# EAGLE board Mk4 Final a Panel score 2x5 (EAGLE 9.0.1), part 17 of 29
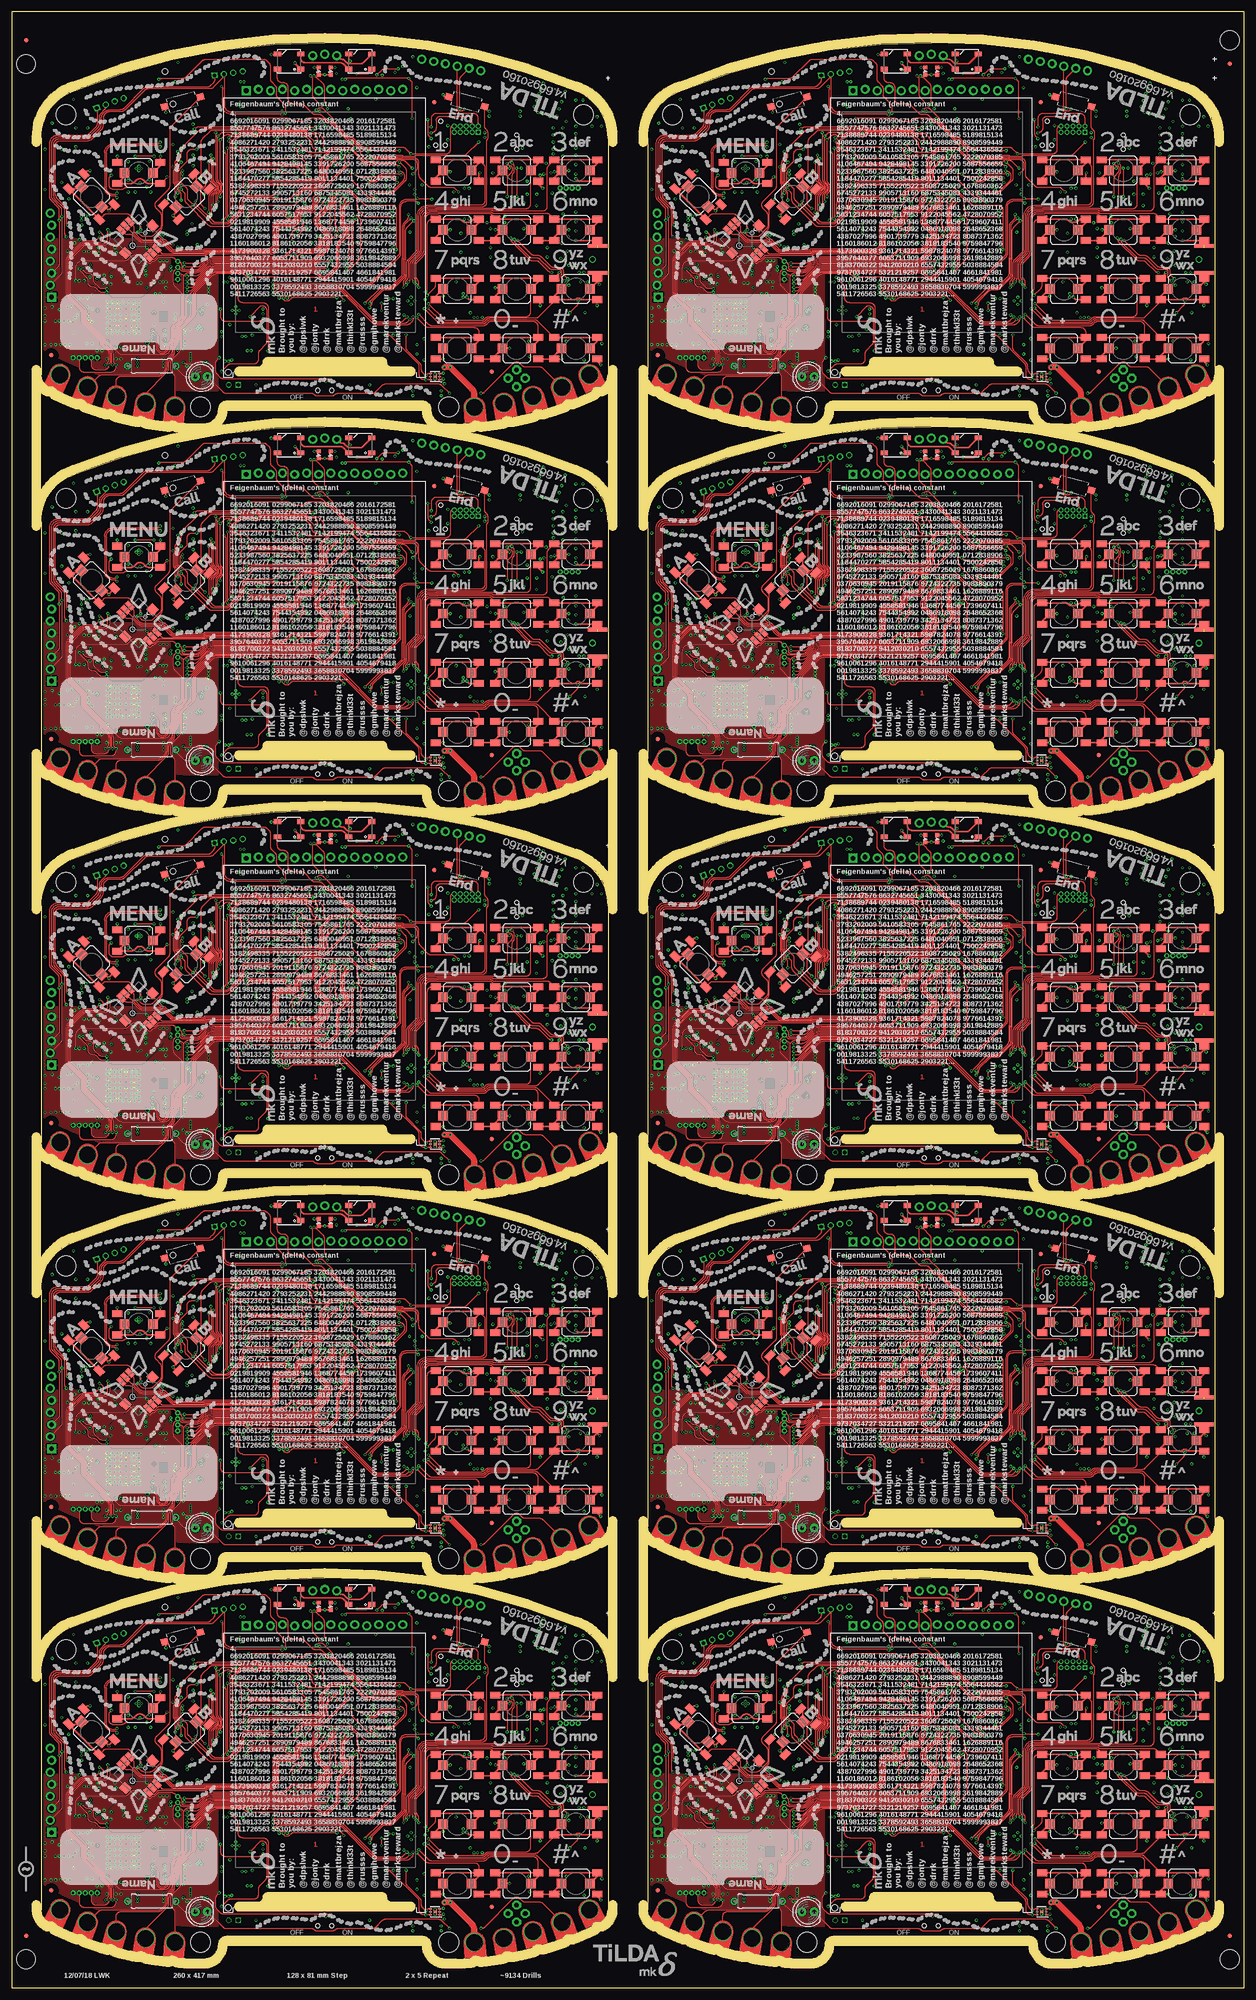
[diagram p0: board, top side]
## Tracks (layer width: path | path; a pad name or v marks a point on that pad's centre or on a via) (continued)
I2C5_EXT_SCL  (via drill 0.3) (continued)
  Bottom 0.2: IC1.121 74.79,55.6 arc-45 75.15,55.45 75.25,55.35 arc45 75.61,55.2 76.27,55.2 arc-45 76.62,55.05 77.35,54.33 77.35,54.15 R24.1 78.2,53.3 78.2,52.95 arc45 78.33,52.63 arc-45 78.62,51.92 78.62,47.82 arc45 78.92,47.11 79.41,46.62 arc45 80.12,46.33 81.76,46.33 arc-45 82.47,46.03 88.38,40.12 arc-45 88.75,39.23 88.75,33.33 arc45 89.19,32.27 94,27.46 arc45 95.06,27.02 98.66,27.02 arc-45 99.54,26.66 103.11,23.09 arc-45 103.4,22.39 103.4,15.9 103.4,15.51 | JP6.6 11.45,45.45 v11.5,45.5 | PCB.SCL 103.8,11 103.4,11.4 103.4,15.51 | J8.1 43,79.36 43,78.91 arc45 43.29,78.21 v44.25,77.25 | J11.3 105.06,13.85 arc-45 104.35,14.15 103.69,14.81 arc-45 103.4,15.51
  Bottom 0.3: PCB.SCL 104.25,10.84 | J8.5 J8.1
I2C5_EXT_SCL1  (via drill 0.3)
  Top 0.2: J18.1 170.78,78.69 arc-45 170.49,77.99 169.89,77.39 arc-45 169.19,77.1 156.62,77.1 arc45 155.73,76.73 151.59,72.59 arc-45 150.89,72.3 148.52,72.3 arc45 147.63,71.93 147.27,71.57 arc45 146.9,70.68 146.9,69.27 arc-45 146.46,68.21 144.89,66.64 arc-45 143.83,66.2 138.05,66.2 arc90 136.8,64.95 136.8,54.21 arc45 137.09,53.51 138.81,51.79 arc-45 139.1,51.09 139.1,46.31 arc45 139.39,45.61 v139.5,45.5 | v172.25,77.25 arc-45 172.5,76.65 172.5,73.15 arc90 174.25,71.4 184.85,71.4 v185,71.25
  3V3@2 0.15: v185,71.25 185,68 185.5,67.5 190.02,67.5 190.6,66.92 190.6,64.32 192.28,62.65 192.28,62.38 192.58,62.08 192.85,62.08 198.1,56.82 v198.1,56.2
  Bottom 0.15: IC20.121 200.89,55.6 200.86,55.63 arc45 200.51,55.77 200.38,55.77 arc-45 199.68,56.07 199.21,56.53 arc45 198.86,56.67 198.78,56.67 arc45 198.43,56.53 v198.1,56.2
  Bottom 0.2: IC20.121 202.79,55.6 arc-45 203.15,55.45 203.25,55.35 arc45 203.61,55.2 204.27,55.2 arc-45 204.62,55.05 205.35,54.33 205.35,54.15 R106.1 206.2,53.3 206.2,52.95 arc45 206.33,52.63 arc-45 206.62,51.92 206.62,47.82 arc45 206.92,47.11 207.41,46.62 arc45 208.12,46.33 209.76,46.33 arc-45 210.47,46.03 216.38,40.12 arc-45 216.75,39.23 216.75,33.33 arc45 217.19,32.27 222,27.46 arc45 223.06,27.02 226.66,27.02 arc-45 227.54,26.66 231.11,23.09 arc-45 231.4,22.39 231.4,15.9 231.4,15.51 | JP17.6 139.45,45.45 v139.5,45.5 | PCB1.SCL 231.8,11 231.4,11.4 231.4,15.51 | J18.1 171,79.36 171,78.91 arc45 171.29,78.21 v172.25,77.25 | J20.3 233.06,13.85 arc-45 232.35,14.15 231.69,14.81 arc-45 231.4,15.51
  Bottom 0.3: PCB1.SCL 232.25,10.84 | J18.5 J18.1
I2C5_EXT_SCL2  (via drill 0.3)
  Top 0.2: J28.1 42.78,159.69 arc-45 42.49,158.99 41.89,158.39 arc-45 41.19,158.1 28.62,158.1 arc45 27.73,157.73 23.59,153.59 arc-45 22.89,153.3 20.52,153.3 arc45 19.63,152.93 19.27,152.57 arc45 18.9,151.68 18.9,150.27 arc-45 18.46,149.21 16.89,147.64 arc-45 15.83,147.2 10.05,147.2 arc90 8.8,145.95 8.8,135.21 arc45 9.09,134.51 10.81,132.79 arc-45 11.1,132.09 11.1,127.31 arc45 11.39,126.61 v11.5,126.5 | v44.25,158.25 arc-45 44.5,157.65 44.5,154.15 arc90 46.25,152.4 56.85,152.4 v57,152.25
  3V3@2 0.15: v57,152.25 57,149 57.5,148.5 62.02,148.5 62.6,147.92 62.6,145.32 64.28,143.65 64.28,143.38 64.58,143.07 64.85,143.07 70.1,137.82 v70.1,137.2
  Bottom 0.15: IC38.121 72.89,136.6 72.86,136.63 arc45 72.51,136.78 72.38,136.78 arc-45 71.67,137.07 71.21,137.53 arc45 70.86,137.68 70.78,137.68 arc45 70.43,137.53 v70.1,137.2
  Bottom 0.2: IC38.121 74.79,136.6 arc-45 75.15,136.45 75.25,136.35 arc45 75.61,136.2 76.27,136.2 arc-45 76.62,136.05 77.35,135.33 77.35,135.15 R184.1 78.2,134.3 78.2,133.95 arc45 78.33,133.63 arc-45 78.62,132.92 78.62,128.82 arc45 78.92,128.11 79.41,127.62 arc45 80.12,127.33 81.76,127.33 arc-45 82.47,127.03 88.38,121.12 arc-45 88.75,120.23 88.75,114.33 arc45 89.19,113.27 94,108.46 arc45 95.06,108.03 98.66,108.03 arc-45 99.54,107.66 103.11,104.09 arc-45 103.4,103.39 103.4,96.9 103.4,96.51 | JP26.6 11.45,126.45 v11.5,126.5 | PCB2.SCL 103.8,92 103.4,92.4 103.4,96.51 | J28.1 43,160.36 43,159.91 arc45 43.29,159.21 v44.25,158.25 | J30.3 105.06,94.85 arc-45 104.35,95.15 103.69,95.81 arc-45 103.4,96.51
  Bottom 0.3: PCB2.SCL 104.25,91.84 | J28.5 J28.1
I2C5_EXT_SCL3  (via drill 0.3)
  Top 0.2: J38.1 170.78,159.69 arc-45 170.49,158.99 169.89,158.39 arc-45 169.19,158.1 156.62,158.1 arc45 155.73,157.73 151.59,153.59 arc-45 150.89,153.3 148.52,153.3 arc45 147.63,152.93 147.27,152.57 arc45 146.9,151.68 146.9,150.27 arc-45 146.46,149.21 144.89,147.64 arc-45 143.83,147.2 138.05,147.2 arc90 136.8,145.95 136.8,135.21 arc45 137.09,134.51 138.81,132.79 arc-45 139.1,132.09 139.1,127.31 arc45 139.39,126.61 v139.5,126.5 | v172.25,158.25 arc-45 172.5,157.65 172.5,154.15 arc90 174.25,152.4 184.85,152.4 v185,152.25
  3V3@2 0.15: v185,152.25 185,149 185.5,148.5 190.02,148.5 190.6,147.92 190.6,145.32 192.28,143.65 192.28,143.38 192.58,143.07 192.85,143.07 198.1,137.82 v198.1,137.2
  Bottom 0.15: IC56.121 200.89,136.6 200.86,136.63 arc45 200.51,136.78 200.38,136.78 arc-45 199.68,137.07 199.21,137.53 arc45 198.86,137.68 198.78,137.68 arc45 198.43,137.53 v198.1,137.2
  Bottom 0.2: IC56.121 202.79,136.6 arc-45 203.15,136.45 203.25,136.35 arc45 203.61,136.2 204.27,136.2 arc-45 204.62,136.05 205.35,135.33 205.35,135.15 R262.1 206.2,134.3 206.2,133.95 arc45 206.33,133.63 arc-45 206.62,132.92 206.62,128.82 arc45 206.92,128.11 207.41,127.62 arc45 208.12,127.33 209.76,127.33 arc-45 210.47,127.03 216.38,121.12 arc-45 216.75,120.23 216.75,114.33 arc45 217.19,113.27 222,108.46 arc45 223.06,108.03 226.66,108.03 arc-45 227.54,107.66 231.11,104.09 arc-45 231.4,103.39 231.4,96.9 231.4,96.51 | JP35.6 139.45,126.45 v139.5,126.5 | PCB3.SCL 231.8,92 231.4,92.4 231.4,96.51 | J38.1 171,160.36 171,159.91 arc45 171.29,159.21 v172.25,158.25 | J40.3 233.06,94.85 arc-45 232.35,95.15 231.69,95.81 arc-45 231.4,96.51
  Bottom 0.3: PCB3.SCL 232.25,91.84 | J38.5 J38.1
I2C5_EXT_SCL4  (via drill 0.3)
  Top 0.2: J48.1 42.78,240.69 arc-45 42.49,239.99 41.89,239.39 arc-45 41.19,239.1 28.62,239.1 arc45 27.73,238.73 23.59,234.59 arc-45 22.89,234.3 20.52,234.3 arc45 19.63,233.93 19.27,233.57 arc45 18.9,232.68 18.9,231.27 arc-45 18.46,230.21 16.89,228.64 arc-45 15.83,228.2 10.05,228.2 arc90 8.8,226.95 8.8,216.21 arc45 9.09,215.51 10.81,213.79 arc-45 11.1,213.09 11.1,208.31 arc45 11.39,207.61 v11.5,207.5 | v44.25,239.25 arc-45 44.5,238.65 44.5,235.15 arc90 46.25,233.4 56.85,233.4 v57,233.25
  3V3@2 0.15: v57,233.25 57,230 57.5,229.5 62.02,229.5 62.6,228.92 62.6,226.32 64.28,224.65 64.28,224.38 64.58,224.07 64.85,224.07 70.1,218.82 v70.1,218.2
  Bottom 0.15: IC74.121 72.89,217.6 72.86,217.63 arc45 72.51,217.78 72.38,217.78 arc-45 71.67,218.07 71.21,218.53 arc45 70.86,218.68 70.78,218.68 arc45 70.43,218.53 v70.1,218.2
  Bottom 0.2: IC74.121 74.79,217.6 arc-45 75.15,217.45 75.25,217.35 arc45 75.61,217.2 76.27,217.2 arc-45 76.62,217.05 77.35,216.33 77.35,216.15 R340.1 78.2,215.3 78.2,214.95 arc45 78.33,214.63 arc-45 78.62,213.92 78.62,209.82 arc45 78.92,209.11 79.41,208.62 arc45 80.12,208.32 81.76,208.32 arc-45 82.47,208.03 88.38,202.12 arc-45 88.75,201.23 88.75,195.33 arc45 89.19,194.27 94,189.46 arc45 95.06,189.03 98.66,189.03 arc-45 99.54,188.66 103.11,185.09 arc-45 103.4,184.39 103.4,177.9 103.4,177.51 | JP44.6 11.45,207.45 v11.5,207.5 | PCB4.SCL 103.8,173 103.4,173.4 103.4,177.51 | J48.1 43,241.36 43,240.91 arc45 43.29,240.21 v44.25,239.25 | J50.3 105.06,175.85 arc-45 104.35,176.15 103.69,176.81 arc-45 103.4,177.51
  Bottom 0.3: PCB4.SCL 104.25,172.84 | J48.5 J48.1
I2C5_EXT_SCL5  (via drill 0.3)
  Top 0.2: J58.1 170.78,240.69 arc-45 170.49,239.99 169.89,239.39 arc-45 169.19,239.1 156.62,239.1 arc45 155.73,238.73 151.59,234.59 arc-45 150.89,234.3 148.52,234.3 arc45 147.63,233.93 147.27,233.57 arc45 146.9,232.68 146.9,231.27 arc-45 146.46,230.21 144.89,228.64 arc-45 143.83,228.2 138.05,228.2 arc90 136.8,226.95 136.8,216.21 arc45 137.09,215.51 138.81,213.79 arc-45 139.1,213.09 139.1,208.31 arc45 139.39,207.61 v139.5,207.5 | v172.25,239.25 arc-45 172.5,238.65 172.5,235.15 arc90 174.25,233.4 184.85,233.4 v185,233.25
  3V3@2 0.15: v185,233.25 185,230 185.5,229.5 190.02,229.5 190.6,228.92 190.6,226.32 192.28,224.65 192.28,224.38 192.58,224.07 192.85,224.07 198.1,218.82 v198.1,218.2
  Bottom 0.15: IC92.121 200.89,217.6 200.86,217.63 arc45 200.51,217.78 200.38,217.78 arc-45 199.68,218.07 199.21,218.53 arc45 198.86,218.68 198.78,218.68 arc45 198.43,218.53 v198.1,218.2
  Bottom 0.2: IC92.121 202.79,217.6 arc-45 203.15,217.45 203.25,217.35 arc45 203.61,217.2 204.27,217.2 arc-45 204.62,217.05 205.35,216.33 205.35,216.15 R418.1 206.2,215.3 206.2,214.95 arc45 206.33,214.63 arc-45 206.62,213.92 206.62,209.82 arc45 206.92,209.11 207.41,208.62 arc45 208.12,208.32 209.76,208.32 arc-45 210.47,208.03 216.38,202.12 arc-45 216.75,201.23 216.75,195.33 arc45 217.19,194.27 222,189.46 arc45 223.06,189.03 226.66,189.03 arc-45 227.54,188.66 231.11,185.09 arc-45 231.4,184.39 231.4,177.9 231.4,177.51 | JP53.6 139.45,207.45 v139.5,207.5 | PCB5.SCL 231.8,173 231.4,173.4 231.4,177.51 | J58.1 171,241.36 171,240.91 arc45 171.29,240.21 v172.25,239.25 | J60.3 233.06,175.85 arc-45 232.35,176.15 231.69,176.81 arc-45 231.4,177.51
  Bottom 0.3: PCB5.SCL 232.25,172.84 | J58.5 J58.1
I2C5_EXT_SCL6  (via drill 0.3)
  Top 0.2: J68.1 42.78,321.69 arc-45 42.49,320.99 41.89,320.39 arc-45 41.19,320.1 28.62,320.1 arc45 27.73,319.73 23.59,315.59 arc-45 22.89,315.3 20.52,315.3 arc45 19.63,314.93 19.27,314.57 arc45 18.9,313.68 18.9,312.27 arc-45 18.46,311.21 16.89,309.64 arc-45 15.83,309.2 10.05,309.2 arc90 8.8,307.95 8.8,297.21 arc45 9.09,296.51 10.81,294.79 arc-45 11.1,294.09 11.1,289.31 arc45 11.39,288.61 v11.5,288.5 | v44.25,320.25 arc-45 44.5,319.65 44.5,316.15 arc90 46.25,314.4 56.85,314.4 v57,314.25
  3V3@2 0.15: v57,314.25 57,311 57.5,310.5 62.02,310.5 62.6,309.92 62.6,307.32 64.28,305.65 64.28,305.38 64.58,305.07 64.85,305.07 70.1,299.82 v70.1,299.2
  Bottom 0.15: IC110.121 72.89,298.6 72.86,298.63 arc45 72.51,298.77 72.38,298.77 arc-45 71.67,299.07 71.21,299.53 arc45 70.86,299.68 70.78,299.68 arc45 70.43,299.53 v70.1,299.2
  Bottom 0.2: IC110.121 74.79,298.6 arc-45 75.15,298.45 75.25,298.35 arc45 75.61,298.2 76.27,298.2 arc-45 76.62,298.05 77.35,297.33 77.35,297.15 R496.1 78.2,296.3 78.2,295.95 arc45 78.33,295.63 arc-45 78.62,294.92 78.62,290.82 arc45 78.92,290.11 79.41,289.62 arc45 80.12,289.32 81.76,289.32 arc-45 82.47,289.03 88.38,283.12 arc-45 88.75,282.23 88.75,276.33 arc45 89.19,275.27 94,270.46 arc45 95.06,270.02 98.66,270.02 arc-45 99.54,269.66 103.11,266.09 arc-45 103.4,265.39 103.4,258.9 103.4,258.51 | JP62.6 11.45,288.45 v11.5,288.5 | PCB6.SCL 103.8,254 103.4,254.4 103.4,258.51 | J68.1 43,322.36 43,321.91 arc45 43.29,321.21 v44.25,320.25 | J70.3 105.06,256.85 arc-45 104.35,257.15 103.69,257.81 arc-45 103.4,258.51
  Bottom 0.3: PCB6.SCL 104.25,253.84 | J68.5 J68.1
I2C5_EXT_SCL7  (via drill 0.3)
  Top 0.2: J78.1 170.78,321.69 arc-45 170.49,320.99 169.89,320.39 arc-45 169.19,320.1 156.62,320.1 arc45 155.73,319.73 151.59,315.59 arc-45 150.89,315.3 148.52,315.3 arc45 147.63,314.93 147.27,314.57 arc45 146.9,313.68 146.9,312.27 arc-45 146.46,311.21 144.89,309.64 arc-45 143.83,309.2 138.05,309.2 arc90 136.8,307.95 136.8,297.21 arc45 137.09,296.51 138.81,294.79 arc-45 139.1,294.09 139.1,289.31 arc45 139.39,288.61 v139.5,288.5 | v172.25,320.25 arc-45 172.5,319.65 172.5,316.15 arc90 174.25,314.4 184.85,314.4 v185,314.25
  3V3@2 0.15: v185,314.25 185,311 185.5,310.5 190.02,310.5 190.6,309.92 190.6,307.32 192.28,305.65 192.28,305.38 192.58,305.07 192.85,305.07 198.1,299.82 v198.1,299.2
  Bottom 0.15: IC128.121 200.89,298.6 200.86,298.63 arc45 200.51,298.77 200.38,298.77 arc-45 199.68,299.07 199.21,299.53 arc45 198.86,299.68 198.78,299.68 arc45 198.43,299.53 v198.1,299.2
  Bottom 0.2: IC128.121 202.79,298.6 arc-45 203.15,298.45 203.25,298.35 arc45 203.61,298.2 204.27,298.2 arc-45 204.62,298.05 205.35,297.33 205.35,297.15 R574.1 206.2,296.3 206.2,295.95 arc45 206.33,295.63 arc-45 206.62,294.92 206.62,290.82 arc45 206.92,290.11 207.41,289.62 arc45 208.12,289.32 209.76,289.32 arc-45 210.47,289.03 216.38,283.12 arc-45 216.75,282.23 216.75,276.33 arc45 217.19,275.27 222,270.46 arc45 223.06,270.02 226.66,270.02 arc-45 227.54,269.66 231.11,266.09 arc-45 231.4,265.39 231.4,258.9 231.4,258.51 | JP71.6 139.45,288.45 v139.5,288.5 | PCB7.SCL 231.8,254 231.4,254.4 231.4,258.51 | J78.1 171,322.36 171,321.91 arc45 171.29,321.21 v172.25,320.25 | J80.3 233.06,256.85 arc-45 232.35,257.15 231.69,257.81 arc-45 231.4,258.51
  Bottom 0.3: PCB7.SCL 232.25,253.84 | J78.5 J78.1
I2C5_EXT_SCL8  (via drill 0.3)
  Top 0.2: J88.1 42.78,402.69 arc-45 42.49,401.99 41.89,401.39 arc-45 41.19,401.1 28.62,401.1 arc45 27.73,400.73 23.59,396.59 arc-45 22.89,396.3 20.52,396.3 arc45 19.63,395.93 19.27,395.57 arc45 18.9,394.68 18.9,393.27 arc-45 18.46,392.21 16.89,390.64 arc-45 15.83,390.2 10.05,390.2 arc90 8.8,388.95 8.8,378.21 arc45 9.09,377.51 10.81,375.79 arc-45 11.1,375.09 11.1,370.31 arc45 11.39,369.61 v11.5,369.5 | v44.25,401.25 arc-45 44.5,400.65 44.5,397.15 arc90 46.25,395.4 56.85,395.4 v57,395.25
  3V3@2 0.15: v57,395.25 57,392 57.5,391.5 62.02,391.5 62.6,390.92 62.6,388.32 64.28,386.65 64.28,386.38 64.58,386.07 64.85,386.07 70.1,380.82 v70.1,380.2
  Bottom 0.15: IC146.121 72.89,379.6 72.86,379.63 arc45 72.51,379.77 72.38,379.77 arc-45 71.67,380.07 71.21,380.53 arc45 70.86,380.68 70.78,380.68 arc45 70.43,380.53 v70.1,380.2
  Bottom 0.2: IC146.121 74.79,379.6 arc-45 75.15,379.45 75.25,379.35 arc45 75.61,379.2 76.27,379.2 arc-45 76.62,379.05 77.35,378.33 77.35,378.15 R652.1 78.2,377.3 78.2,376.95 arc45 78.33,376.63 arc-45 78.62,375.92 78.62,371.82 arc45 78.92,371.11 79.41,370.62 arc45 80.12,370.32 81.76,370.32 arc-45 82.47,370.03 88.38,364.12 arc-45 88.75,363.23 88.75,357.33 arc45 89.19,356.27 94,351.46 arc45 95.06,351.02 98.66,351.02 arc-45 99.54,350.66 103.11,347.09 arc-45 103.4,346.39 103.4,339.9 103.4,339.51 | JP80.6 11.45,369.45 v11.5,369.5 | PCB8.SCL 103.8,335 103.4,335.4 103.4,339.51 | J88.1 43,403.36 43,402.91 arc45 43.29,402.21 v44.25,401.25 | J90.3 105.06,337.85 arc-45 104.35,338.15 103.69,338.81 arc-45 103.4,339.51
  Bottom 0.3: PCB8.SCL 104.25,334.84 | J88.5 J88.1
I2C5_EXT_SCL9  (via drill 0.3)
  Top 0.2: J98.1 170.78,402.69 arc-45 170.49,401.99 169.89,401.39 arc-45 169.19,401.1 156.62,401.1 arc45 155.73,400.73 151.59,396.59 arc-45 150.89,396.3 148.52,396.3 arc45 147.63,395.93 147.27,395.57 arc45 146.9,394.68 146.9,393.27 arc-45 146.46,392.21 144.89,390.64 arc-45 143.83,390.2 138.05,390.2 arc90 136.8,388.95 136.8,378.21 arc45 137.09,377.51 138.81,375.79 arc-45 139.1,375.09 139.1,370.31 arc45 139.39,369.61 v139.5,369.5 | v172.25,401.25 arc-45 172.5,400.65 172.5,397.15 arc90 174.25,395.4 184.85,395.4 v185,395.25
  3V3@2 0.15: v185,395.25 185,392 185.5,391.5 190.02,391.5 190.6,390.92 190.6,388.32 192.28,386.65 192.28,386.38 192.58,386.07 192.85,386.07 198.1,380.82 v198.1,380.2
  Bottom 0.15: IC164.121 200.89,379.6 200.86,379.63 arc45 200.51,379.77 200.38,379.77 arc-45 199.68,380.07 199.21,380.53 arc45 198.86,380.68 198.78,380.68 arc45 198.43,380.53 v198.1,380.2
  Bottom 0.2: IC164.121 202.79,379.6 arc-45 203.15,379.45 203.25,379.35 arc45 203.61,379.2 204.27,379.2 arc-45 204.62,379.05 205.35,378.33 205.35,378.15 R730.1 206.2,377.3 206.2,376.95 arc45 206.33,376.63 arc-45 206.62,375.92 206.62,371.82 arc45 206.92,371.11 207.41,370.62 arc45 208.12,370.32 209.76,370.32 arc-45 210.47,370.03 216.38,364.12 arc-45 216.75,363.23 216.75,357.33 arc45 217.19,356.27 222,351.46 arc45 223.06,351.02 226.66,351.02 arc-45 227.54,350.66 231.11,347.09 arc-45 231.4,346.39 231.4,339.9 231.4,339.51 | JP89.6 139.45,369.45 v139.5,369.5 | PCB9.SCL 231.8,335 231.4,335.4 231.4,339.51 | J98.1 171,403.36 171,402.91 arc45 171.29,402.21 v172.25,401.25 | J100.3 233.06,337.85 arc-45 232.35,338.15 231.69,338.81 arc-45 231.4,339.51
  Bottom 0.3: PCB9.SCL 232.25,334.84 | J98.5 J98.1
I2C5_EXT_SDA  (via drill 0.3)
  Top 0.2: v11.75,48 11.73,48.02 arc-45 11.5,48.57 11.5,51.24 arc45 11.21,51.94 9.49,53.66 arc-45 9.2,54.36 9.2,64.8 arc-90 10.2,65.8 15.88,65.8 arc45 17.11,66.31 18.79,67.99 arc45 19.3,69.22 19.3,70.64 arc-45 19.59,71.34 19.86,71.61 arc-45 20.56,71.9 22.93,71.9 arc45 23.82,72.27 28.01,76.46 arc-45 28.71,76.75 41.84,76.75 arc45 42.54,77.04 44.76,79.26 J8.2 44.76,79.24 44.9,79.1 44.9,73.3 arc90 46.4,71.8 56.8,71.8 v57,72
  3V3@2 0.15: v69.3,56.2 69.3,57.2 64.72,61.77 64.46,61.77 63.98,62.26 63.98,62.52 62.3,64.2 62.3,66.8 61.9,67.2 57.3,67.2 56.7,67.8 56.7,70.7 56.4,71 56.4,71.4 v57,72
  Bottom 0.15: IC1.120 72.92,56 arc-45 72.91,56 arc45 72.74,56.08 arc-45 72.03,56.37 71.72,56.68 arc45 71.01,56.98 70.49,56.98 arc45 69.78,56.68 v69.3,56.2
  Bottom 0.2: IC1.120 74.92,56 arc-45 75.28,55.85 75.43,55.7 arc45 75.78,55.56 76.99,55.56 arc-45 77.34,55.41 R23.1 78.2,54.55 arc45 78.56,54.4 78.9,54.4 arc-90 79.4,53.9 79.4,53.21 arc-45 79.11,52.51 78.97,52.38 78.97,47.96 arc45 79.27,47.26 79.56,46.97 arc45 80.26,46.67 81.91,46.67 arc-45 82.62,46.38 88.66,40.34 arc-45 89.1,39.28 89.1,33.37 arc45 89.47,32.49 94.19,27.77 arc45 95.07,27.4 99.49,27.4 arc-45 100.19,27.11 103.56,23.75 arc-45 103.85,23.04 103.85,16.92 arc45 104.14,16.21 J11.4 106.09,15.65 arc-45 106.79,15.36 109.71,12.44 arc-45 PCB.SDA | JP6.7 v11.74,47.99 v11.75,48
  Bottom 0.3: J8.6 J8.2
I2C5_EXT_SDA1  (via drill 0.3)
  Top 0.2: v139.75,48 139.72,48.02 arc-45 139.5,48.57 139.5,51.24 arc45 139.21,51.94 137.49,53.66 arc-45 137.2,54.36 137.2,64.8 arc-90 138.2,65.8 143.88,65.8 arc45 145.11,66.31 146.79,67.99 arc45 147.3,69.22 147.3,70.64 arc-45 147.59,71.34 147.86,71.61 arc-45 148.56,71.9 150.93,71.9 arc45 151.82,72.27 156.01,76.46 arc-45 156.71,76.75 169.84,76.75 arc45 170.54,77.04 172.76,79.26 J18.2 172.76,79.24 172.9,79.1 172.9,73.3 arc90 174.4,71.8 184.8,71.8 v185,72
  3V3@2 0.15: v197.3,56.2 197.3,57.2 192.72,61.77 192.46,61.77 191.97,62.26 191.97,62.52 190.3,64.2 190.3,66.8 189.9,67.2 185.3,67.2 184.7,67.8 184.7,70.7 184.4,71 184.4,71.4 v185,72
  Bottom 0.15: IC20.120 200.92,56 arc-45 200.91,56 arc45 200.74,56.08 arc-45 200.03,56.37 199.72,56.68 arc45 199.01,56.98 198.49,56.98 arc45 197.78,56.68 v197.3,56.2
  Bottom 0.2: IC20.120 202.93,56 arc-45 203.28,55.85 203.43,55.7 arc45 203.78,55.56 204.99,55.56 arc-45 205.34,55.41 R105.1 206.2,54.55 arc45 206.56,54.4 206.9,54.4 arc-90 207.4,53.9 207.4,53.21 arc-45 207.11,52.51 206.97,52.38 206.97,47.96 arc45 207.27,47.26 207.56,46.97 arc45 208.26,46.67 209.91,46.67 arc-45 210.62,46.38 216.66,40.34 arc-45 217.1,39.28 217.1,33.37 arc45 217.47,32.49 222.19,27.77 arc45 223.07,27.4 227.49,27.4 arc-45 228.19,27.11 231.56,23.75 arc-45 231.85,23.04 231.85,16.92 arc45 232.14,16.21 J20.4 234.09,15.65 arc-45 234.79,15.36 237.71,12.44 arc-45 PCB1.SDA | JP17.7 v139.74,47.99 v139.75,48
  Bottom 0.3: J18.6 J18.2
I2C5_EXT_SDA2  (via drill 0.3)
  Top 0.2: v11.75,129 11.73,129.03 arc-45 11.5,129.57 11.5,132.24 arc45 11.21,132.94 9.49,134.66 arc-45 9.2,135.36 9.2,145.8 arc-90 10.2,146.8 15.88,146.8 arc45 17.11,147.31 18.79,148.99 arc45 19.3,150.22 19.3,151.64 arc-45 19.59,152.34 19.86,152.61 arc-45 20.56,152.9 22.93,152.9 arc45 23.82,153.27 28.01,157.46 arc-45 28.71,157.75 41.84,157.75 arc45 42.54,158.04 44.76,160.26 J28.2 44.76,160.24 44.9,160.1 44.9,154.3 arc90 46.4,152.8 56.8,152.8 v57,153
  3V3@2 0.15: v69.3,137.2 69.3,138.2 64.72,142.78 64.46,142.78 63.98,143.26 63.98,143.53 62.3,145.2 62.3,147.8 61.9,148.2 57.3,148.2 56.7,148.8 56.7,151.7 56.4,152 56.4,152.4 v57,153
  Bottom 0.15: IC38.120 72.92,137 arc-45 72.91,137 arc45 72.74,137.07 arc-45 72.03,137.37 71.72,137.68 arc45 71.01,137.97 70.49,137.97 arc45 69.78,137.68 v69.3,137.2
  Bottom 0.2: IC38.120 74.92,137 arc-45 75.28,136.85 75.43,136.7 arc45 75.78,136.56 76.99,136.56 arc-45 77.34,136.41 R183.1 78.2,135.55 arc45 78.56,135.4 78.9,135.4 arc-90 79.4,134.9 79.4,134.21 arc-45 79.11,133.51 78.97,133.38 78.97,128.96 arc45 79.27,128.25 79.56,127.97 arc45 80.26,127.67 81.91,127.67 arc-45 82.62,127.38 88.66,121.34 arc-45 89.1,120.28 89.1,114.37 arc45 89.47,113.49 94.19,108.77 arc45 95.07,108.4 99.49,108.4 arc-45 100.19,108.11 103.56,104.75 arc-45 103.85,104.04 103.85,97.92 arc45 104.14,97.21 J30.4 106.09,96.65 arc-45 106.79,96.36 109.71,93.44 arc-45 PCB2.SDA | JP26.7 v11.74,128.99 v11.75,129
  Bottom 0.3: J28.6 J28.2
I2C5_EXT_SDA3  (via drill 0.3)
  Top 0.2: v139.75,129 139.72,129.03 arc-45 139.5,129.57 139.5,132.24 arc45 139.21,132.94 137.49,134.66 arc-45 137.2,135.36 137.2,145.8 arc-90 138.2,146.8 143.88,146.8 arc45 145.11,147.31 146.79,148.99 arc45 147.3,150.22 147.3,151.64 arc-45 147.59,152.34 147.86,152.61 arc-45 148.56,152.9 150.93,152.9 arc45 151.82,153.27 156.01,157.46 arc-45 156.71,157.75 169.84,157.75 arc45 170.54,158.04 172.76,160.26 J38.2 172.76,160.24 172.9,160.1 172.9,154.3 arc90 174.4,152.8 184.8,152.8 v185,153
  3V3@2 0.15: v197.3,137.2 197.3,138.2 192.72,142.78 192.46,142.78 191.97,143.26 191.97,143.53 190.3,145.2 190.3,147.8 189.9,148.2 185.3,148.2 184.7,148.8 184.7,151.7 184.4,152 184.4,152.4 v185,153
  Bottom 0.15: IC56.120 200.92,137 arc-45 200.91,137 arc45 200.74,137.07 arc-45 200.03,137.37 199.72,137.68 arc45 199.01,137.97 198.49,137.97 arc45 197.78,137.68 v197.3,137.2
  Bottom 0.2: IC56.120 202.93,137 arc-45 203.28,136.85 203.43,136.7 arc45 203.78,136.56 204.99,136.56 arc-45 205.34,136.41 R261.1 206.2,135.55 arc45 206.56,135.4 206.9,135.4 arc-90 207.4,134.9 207.4,134.21 arc-45 207.11,133.51 206.97,133.38 206.97,128.96 arc45 207.27,128.25 207.56,127.97 arc45 208.26,127.67 209.91,127.67 arc-45 210.62,127.38 216.66,121.34 arc-45 217.1,120.28 217.1,114.37 arc45 217.47,113.49 222.19,108.77 arc45 223.07,108.4 227.49,108.4 arc-45 228.19,108.11 231.56,104.75 arc-45 231.85,104.04 231.85,97.92 arc45 232.14,97.21 J40.4 234.09,96.65 arc-45 234.79,96.36 237.71,93.44 arc-45 PCB3.SDA | JP35.7 v139.74,128.99 v139.75,129
  Bottom 0.3: J38.6 J38.2
I2C5_EXT_SDA4  (via drill 0.3)
  Top 0.2: v11.75,210 11.73,210.03 arc-45 11.5,210.57 11.5,213.24 arc45 11.21,213.94 9.49,215.66 arc-45 9.2,216.36 9.2,226.8 arc-90 10.2,227.8 15.88,227.8 arc45 17.11,228.31 18.79,229.99 arc45 19.3,231.22 19.3,232.64 arc-45 19.59,233.34 19.86,233.61 arc-45 20.56,233.9 22.93,233.9 arc45 23.82,234.27 28.01,238.46 arc-45 28.71,238.75 41.84,238.75 arc45 42.54,239.04 44.76,241.26 J48.2 44.76,241.24 44.9,241.1 44.9,235.3 arc90 46.4,233.8 56.8,233.8 v57,234
  3V3@2 0.15: v69.3,218.2 69.3,219.2 64.72,223.78 64.46,223.78 63.98,224.26 63.98,224.53 62.3,226.2 62.3,228.8 61.9,229.2 57.3,229.2 56.7,229.8 56.7,232.7 56.4,233 56.4,233.4 v57,234
  Bottom 0.15: IC74.120 72.92,218 arc-45 72.91,218 arc45 72.74,218.07 arc-45 72.03,218.37 71.72,218.68 arc45 71.01,218.97 70.49,218.97 arc45 69.78,218.68 v69.3,218.2
  Bottom 0.2: IC74.120 74.92,218 arc-45 75.28,217.85 75.43,217.7 arc45 75.78,217.56 76.99,217.56 arc-45 77.34,217.41 R339.1 78.2,216.55 arc45 78.56,216.4 78.9,216.4 arc-90 79.4,215.9 79.4,215.21 arc-45 79.11,214.51 78.97,214.38 78.97,209.96 arc45 79.27,209.25 79.56,208.97 arc45 80.26,208.68 81.91,208.68 arc-45 82.62,208.38 88.66,202.34 arc-45 89.1,201.28 89.1,195.37 arc45 89.47,194.49 94.19,189.77 arc45 95.07,189.4 99.49,189.4 arc-45 100.19,189.11 103.56,185.75 arc-45 103.85,185.04 103.85,178.92 arc45 104.14,178.21 J50.4 106.09,177.65 arc-45 106.79,177.36 109.71,174.44 arc-45 PCB4.SDA | JP44.7 v11.74,209.99 v11.75,210
  Bottom 0.3: J48.6 J48.2
I2C5_EXT_SDA5  (via drill 0.3)
  Top 0.2: v139.75,210 139.72,210.03 arc-45 139.5,210.57 139.5,213.24 arc45 139.21,213.94 137.49,215.66 arc-45 137.2,216.36 137.2,226.8 arc-90 138.2,227.8 143.88,227.8 arc45 145.11,228.31 146.79,229.99 arc45 147.3,231.22 147.3,232.64 arc-45 147.59,233.34 147.86,233.61 arc-45 148.56,233.9 150.93,233.9 arc45 151.82,234.27 156.01,238.46 arc-45 156.71,238.75 169.84,238.75 arc45 170.54,239.04 172.76,241.26 J58.2 172.76,241.24 172.9,241.1 172.9,235.3 arc90 174.4,233.8 184.8,233.8 v185,234
  3V3@2 0.15: v197.3,218.2 197.3,219.2 192.72,223.78 192.46,223.78 191.97,224.26 191.97,224.53 190.3,226.2 190.3,228.8 189.9,229.2 185.3,229.2 184.7,229.8 184.7,232.7 184.4,233 184.4,233.4 v185,234
  Bottom 0.15: IC92.120 200.92,218 arc-45 200.91,218 arc45 200.74,218.07 arc-45 200.03,218.37 199.72,218.68 arc45 199.01,218.97 198.49,218.97 arc45 197.78,218.68 v197.3,218.2
  Bottom 0.2: IC92.120 202.93,218 arc-45 203.28,217.85 203.43,217.7 arc45 203.78,217.56 204.99,217.56 arc-45 205.34,217.41 R417.1 206.2,216.55 arc45 206.56,216.4 206.9,216.4 arc-90 207.4,215.9 207.4,215.21 arc-45 207.11,214.51 206.97,214.38 206.97,209.96 arc45 207.27,209.25 207.56,208.97 arc45 208.26,208.68 209.91,208.68 arc-45 210.62,208.38 216.66,202.34 arc-45 217.1,201.28 217.1,195.37 arc45 217.47,194.49 222.19,189.77 arc45 223.07,189.4 227.49,189.4 arc-45 228.19,189.11 231.56,185.75 arc-45 231.85,185.04 231.85,178.92 arc45 232.14,178.21 J60.4 234.09,177.65 arc-45 234.79,177.36 237.71,174.44 arc-45 PCB5.SDA | JP53.7 v139.74,209.99 v139.75,210
  Bottom 0.3: J58.6 J58.2